# KiCad board ergodash.kicad_pcb
title: ErgoDash Rev2; date: 2018-06-07; rev: 2.0; company: Omkbd
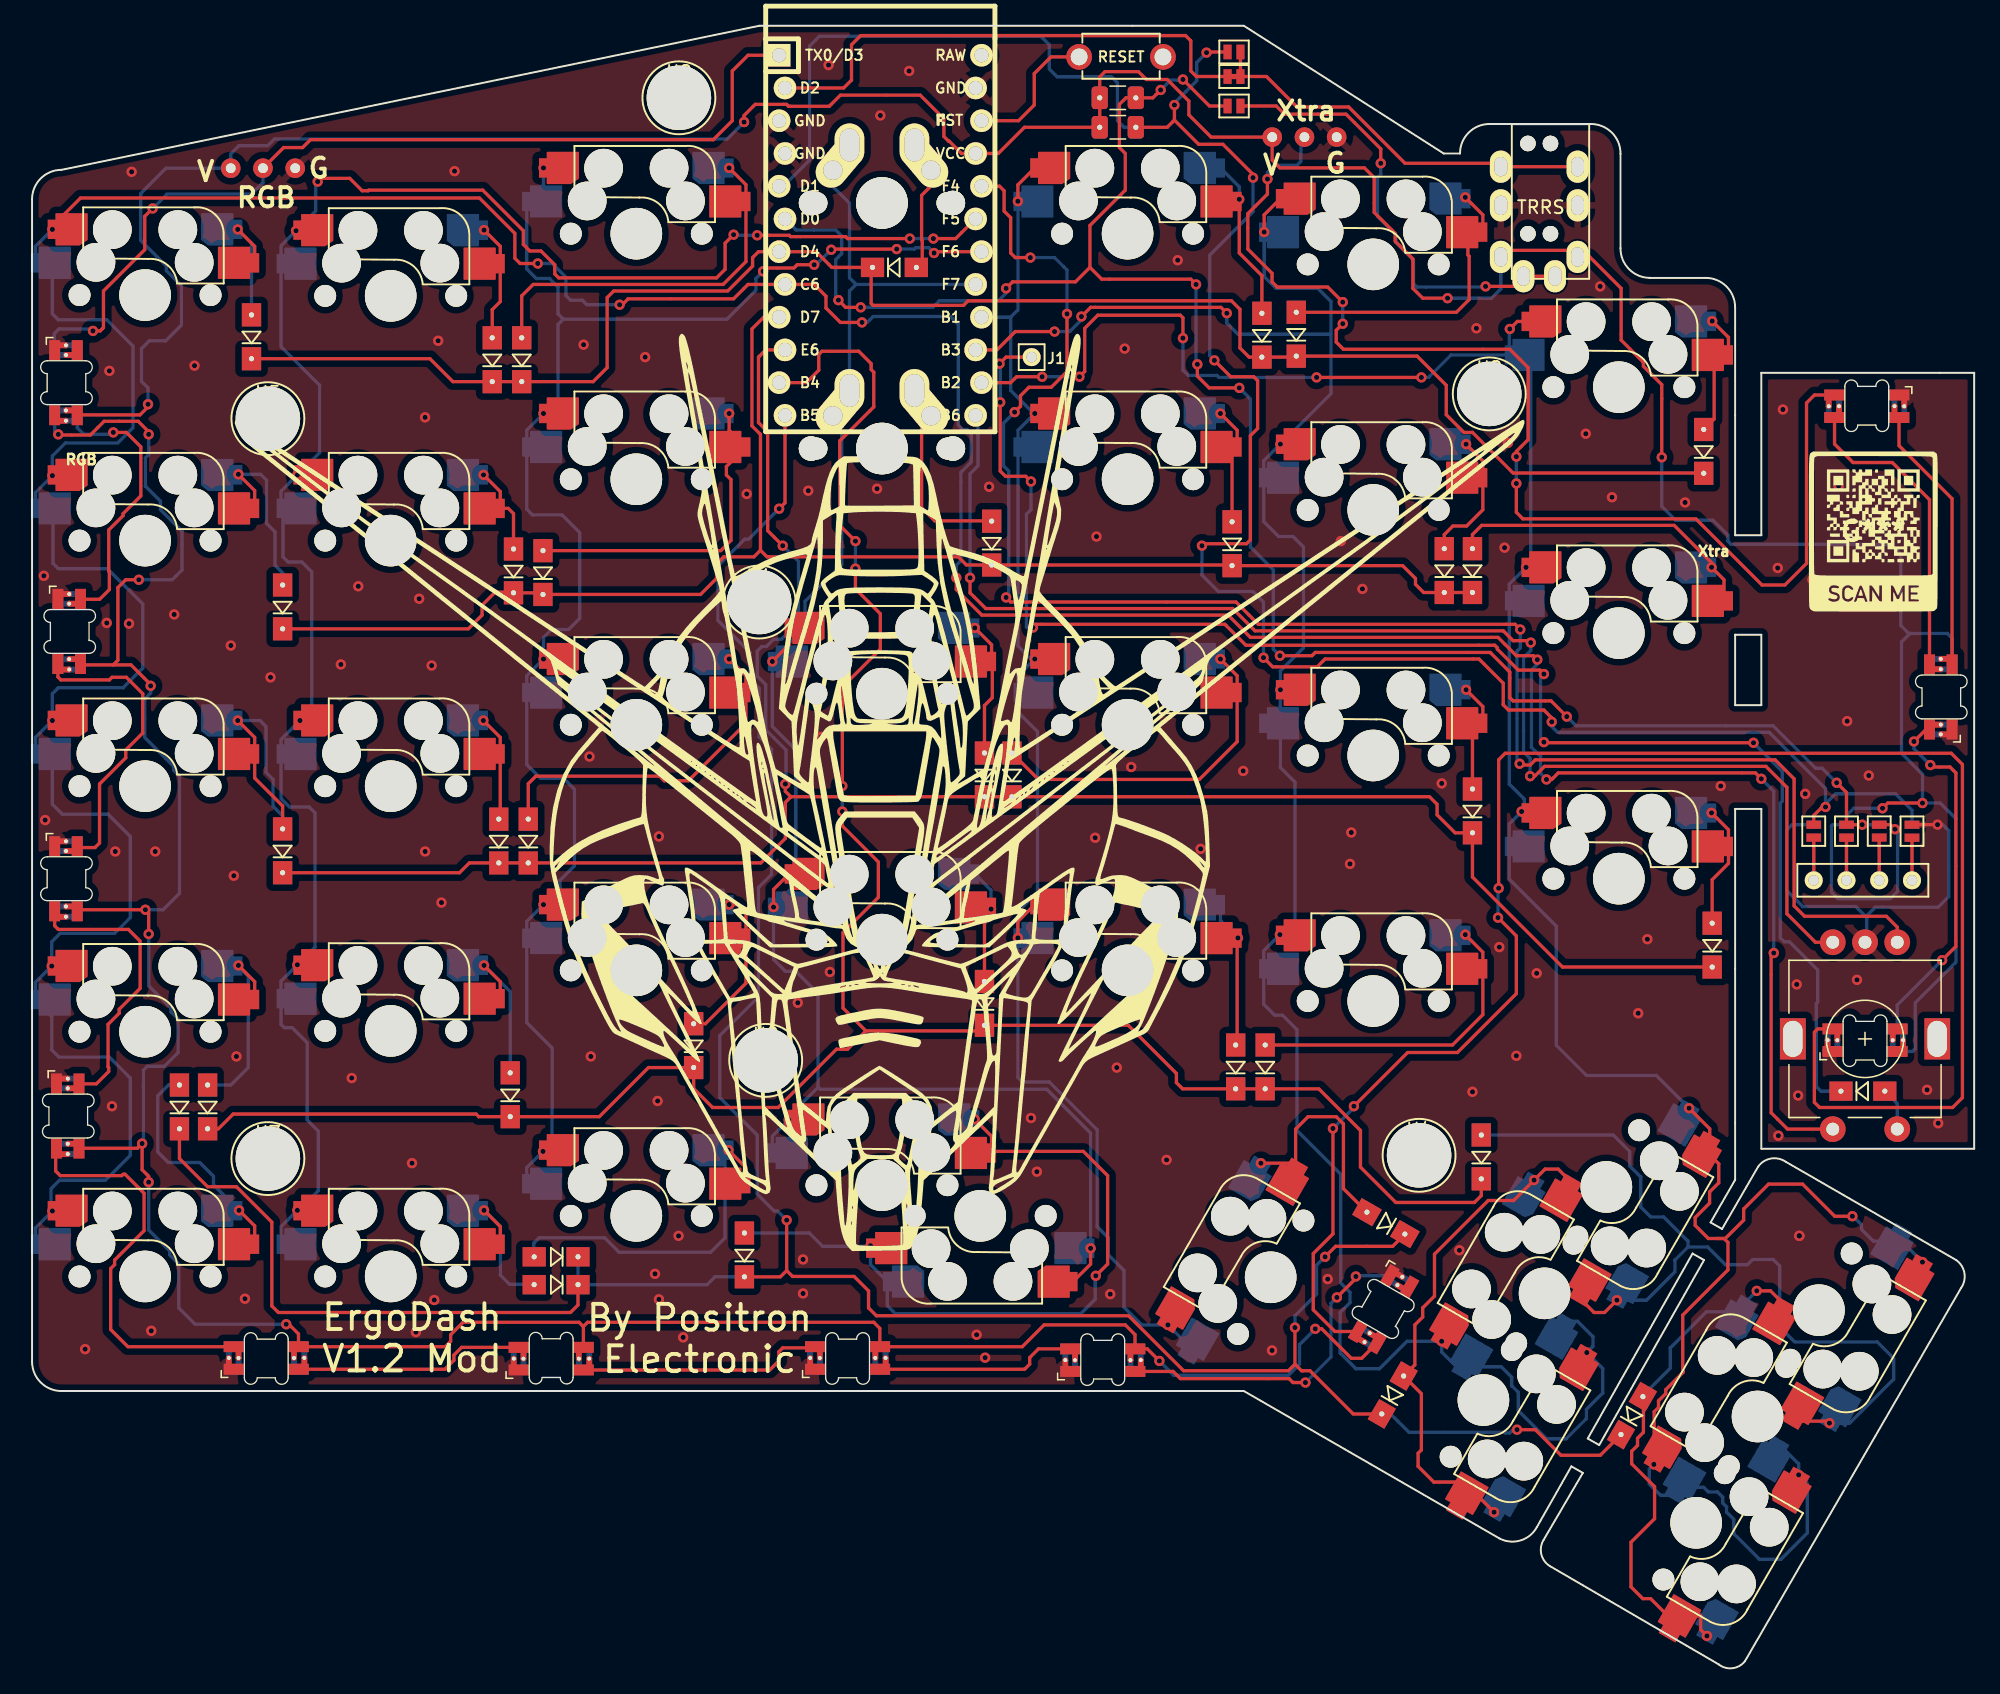
[diagram p0: board, top side]
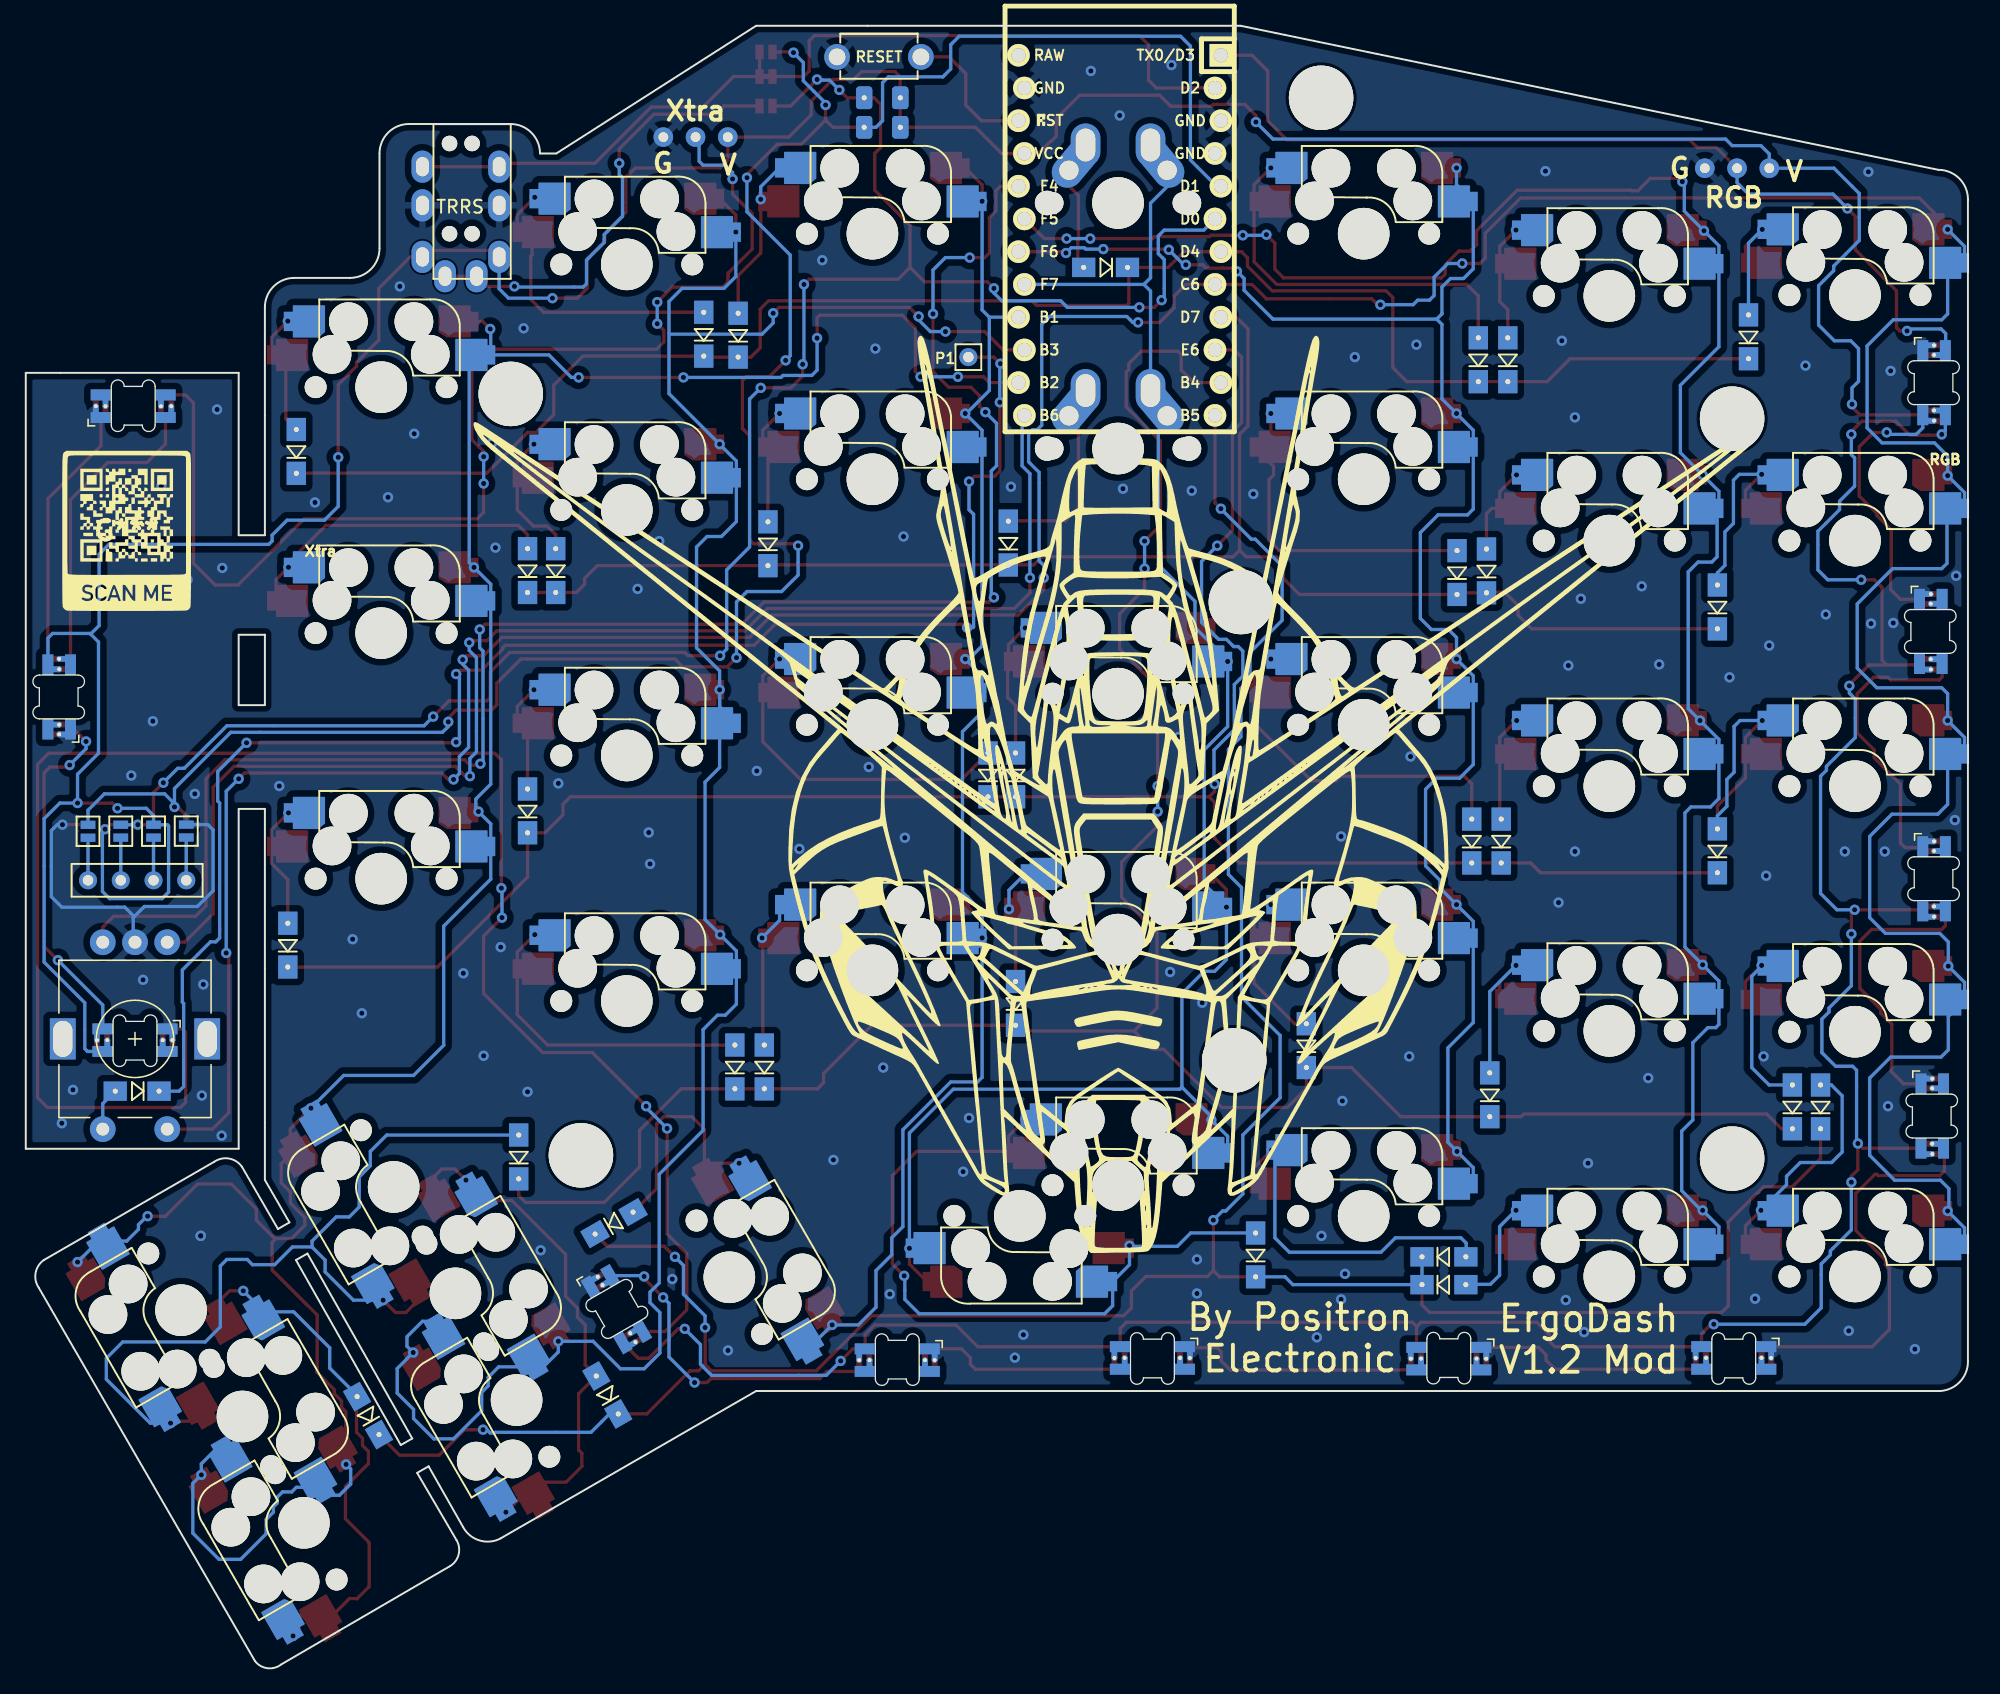
[diagram p1: board, bottom side, seen from below]

Outline 150.62 x 127.42 mm; copper layers: Top, Bottom. Coordinates in mm from the lower left corner of the outline.
Outline path: 0,113.96 arc(0.67,115.58) 2.29,116.24 56.39,127.42 93.98,127.42 109.47,117.51 110.74,117.51 arc(111.41,119.13) 113.03,119.8 120.9,119.8 arc(122.52,119.13) 123.19,117.51 123.19,110.15 arc(123.86,108.53) 125.48,107.86 129.79,107.86 arc(131.41,107.19) 132.08,105.58 132.08,87.9 134.11,87.9 134.11,100.5 150.62,100.5 150.62,40.3 134.11,40.3 134.11,66.66 132.08,66.66 132.08,37.89 130.18,34.58 131.06,34.08 133.86,38.9 arc(134.86,39.54) 136.02,39.28 149.22,31.66 arc(149.86,30.66) 149.61,29.5 132.84,0.55 arc(131.88,0) 130.81,0.29 117.73,7.91 arc(117.05,8.82) 117.22,9.95 120.27,15.15 119.38,15.66 116.71,10.96 arc(115.44,9.91) 113.79,10.07 93.98,21.5 2.29,21.5 arc(0.67,22.17) 0,23.79 0,113.96 ; 120.65,17.82 121.54,17.31 129.67,31.66 128.78,32.17 120.65,17.82 ; 132.08,80.18 132.08,74.72 134.11,74.72 134.11,80.18 132.08,80.18
Stack: Top 0.035mm / dielectric 1.51mm FR4 er 4.5 / Bottom 0.035mm

## Placement (name value [footprint] x y rotation side)
D1  D  [Diode_SOD123]  17.02 103.29 90 top
D2  D  [Diode_SOD123]  19.43 82.34 90 top
D3  D  [Diode_SOD123]  19.43 63.41 90 top
D4  D  [Diode_SOD123]  13.61 43.55 90 top
D5  D  [Diode_SOD123]  35.69 101.51 90 top
D6  D  [Diode_SOD123]  37.34 85.13 90 top
D7  D  [Diode_SOD123]  36.2 64.17 90 top
D8  D  [Diode_SOD123]  37.08 44.49 90 top
D9  D  [Diode_SOD123]  37.97 101.51 90 top
D10  D  [Diode_SOD123]  39.62 85 90 top
D11  D  [Diode_SOD123]  38.48 64.17 90 top
D12  D  [Diode_SOD123]  51.31 48.3 90 top
D13  D  [Diode_SOD123]  66.88 108.68 0 top
D14  D  [Diode_SOD123]  74.42 87.29 90 top
D15  D  [Diode_SOD123]  73.86 69.31 90 top
D16  D  [Diode_SOD123]  73.86 51.58 90 top
D17  D  [Diode_SOD123]  95.38 103.42 90 top
D18  D  [Diode_SOD123]  93.07 87.24 90 top
D19  D  [Diode_SOD123]  76 69.31 90 top
D20  D  [Diode_SOD123]  93.34 46.65 90 top
D21  D  [Diode_SOD123]  98.04 103.49 90 top
D22  D  [Diode_SOD123]  109.52 85.16 90 top
D23  D  [Diode_SOD123]  111.71 66.51 90 top
D24  D  [Diode_SOD123]  95.63 46.65 90 top
D25  D  [Diode_SOD123]  129.64 94.4 90 top
D26  D  [Diode_SOD123]  111.71 85.16 90 top
D27  D  [Diode_SOD123]  130.3 56.1 90 top
D28  D  [Diode_SOD123]  112.4 39.66 90 top
D29  D  [Diode_SOD123]  11.43 43.55 90 top
D30  D  [Diode_SOD123]  40.64 29.76 180 top
D31  D  [Diode_SOD123]  40.64 31.92 180 top
D32  D  [Diode_SOD123]  55.25 32.06 90 top
D33  D  [Diode_SOD123]  105 34.53 150 top
D34  D  [Diode_SOD123]  105.53 21.2 60 top
D35  YAEMK_SK6812MINI-E  [SK6812_mini_e_flipable]  2.53 99.73 90 top
D36  YAEMK_SK6812MINI-E  [SK6812_mini_e_flipable]  142.29 97.8 0 bottom
D37  YAEMK_SK6812MINI-E  [SK6812_mini_e_flipable]  2.78 80.43 90 top
D38  YAEMK_SK6812MINI-E  [SK6812_mini_e_flipable]  147.93 75.35 270 bottom
D39  YAEMK_SK6812MINI-E  [SK6812_mini_e_flipable]  2.53 61.25 90 top
D40  YAEMK_SK6812MINI-E  [SK6812_mini_e_flipable]  142.15 48.82 180 bottom
D41  YAEMK_SK6812MINI-E  [SK6812_mini_e_flipable]  2.67 42.84 90 top
D42  YAEMK_SK6812MINI-E  [SK6812_mini_e_flipable#2]  104.9 27.8 60 bottom
D43  YAEMK_SK6812MINI-E  [SK6812_mini_e_flipable]  18.16 24.17 180 bottom
D44  YAEMK_SK6812MINI-E  [SK6812_mini_e_flipable]  83.04 23.8 180 top
D45  YAEMK_SK6812MINI-E  [SK6812_mini_e_flipable]  40.26 23.92 180 top
D46  YAEMK_SK6812MINI-E  [SK6812_mini_e_flipable]  63.25 24.17 180 bottom
D68  D  [Diode_SOD123]  124.08 19.6 60 top
D_1  D-Lily58-cache  [Diode_SOD123]  141.99 44.77 0 top
G***  LOGO  [qr-positron]  142.8 88.2 0 top
G***#2  LOGO  [gundam]  65.74 68.04 0 top
G***#3  LOGO  [qr-positron]  142.8 88.25 180 bottom
G***#4  LOGO  [gundam]  65.89 67.88 180 bottom
J1  i2c_pin-Lily58-cache  [1pin_conn]  77.52 101.72 0 top
J2  Conn_01x03  [conn3]  17.91 116.37 0 top
J3  Conn_01x03  [conn3]  98.68 118.78 0 top
J6  OLED-Lily58-cache  [OLED_4Pin]  138.18 61.13 0 top
JP1  Jumper_NO_Small-Device  [Jumper]  145.8 64.94 270 top
JP2  Jumper_NO_Small-Device  [Jumper]  143.26 64.94 270 top
JP3  Jumper_NO_Small-Device  [Jumper]  140.72 64.94 270 top
JP4  Jumper_NO_Small-Device  [Jumper]  138.18 64.94 270 top
JP5  Jumper_NO_Small-Device  [Jumper]  145.8 64.93 270 bottom
JP6  Jumper_NO_Small-Device  [Jumper]  143.26 64.94 270 bottom
JP7  Jumper_NO_Small-Device  [Jumper]  140.72 64.94 270 bottom
JP8  Jumper_NO_Small-Device  [Jumper]  138.18 64.94 270 bottom
JP9  Jumper_NO_Small-Device  [Jumper]  93.22 121.2 180 top
JP10  Jumper_NC_Small-Device  [jumper_data]  93.22 123.48 0 top
JP11  Jumper_NO_Small-Device  [Jumper]  93.22 125.39 0 top
R1  4.7k  [R_1206_DoubleSided]  84.2 119.55 0 top
R2  4.7k  [R_1206_DoubleSided]  84.2 121.83 0 top
RST_SW1  SW_PUSH  [TACT_SWITCH_TVBP06]  84.46 125.01 0 top
SW13  SW_PUSH  [MX_ALPS]  65.91 113.67 0 top
SW14  SW_PUSH  [MX_ALPS]  65.91 94.62 0 top
SW42  SW_PUSH-Lily58-cache  [CherryMX_Hotswap]  8.76 106.53 0 top
SW43  SW_PUSH-Lily58-cache  [CherryMX_Hotswap]  8.76 87.48 0 top
SW44  SW_PUSH-Lily58-cache  [CherryMX_Hotswap]  8.76 68.43 0 top
SW45  SW_PUSH-Lily58-cache  [CherryMX_Hotswap]  8.76 49.38 0 top
SW46  SW_PUSH-Lily58-cache  [CherryMX_Hotswap]  8.76 30.39 0 top
SW47  SW_PUSH-Lily58-cache  [CherryMX_Hotswap]  27.81 106.47 0 top
SW48  SW_PUSH-Lily58-cache  [CherryMX_Hotswap]  27.81 87.48 0 top
SW49  SW_PUSH-Lily58-cache  [CherryMX_Hotswap]  27.81 68.43 0 top
SW50  SW_PUSH-Lily58-cache  [CherryMX_Hotswap]  27.81 49.44 0 top
SW51  SW_PUSH-Lily58-cache  [CherryMX_Hotswap]  27.81 30.39 0 top
SW52  SW_PUSH-Lily58-cache  [CherryMX_Hotswap]  46.86 111.29 0 top
SW53  SW_PUSH-Lily58-cache  [CherryMX_Hotswap]  46.86 92.24 0 top
SW54  SW_PUSH-Lily58-cache  [CherryMX_Hotswap]  46.86 73.19 0 top
SW55  SW_PUSH-Lily58-cache  [CherryMX_Hotswap]  46.86 54.14 0 top
SW56  SW_PUSH-Lily58-cache  [CherryMX_Hotswap]  46.86 35.09 0 top
SW57  Rotary_Encoder_Switch-Device  [RotaryEncoder_Alps_EC11E-Switch_Vertical_H20mm-keebio_modified]  142.15 48.82 270 top
SW59  SW_PUSH-Lily58-cache  [CherryMX_Hotswap]  65.91 75.6 0 top
SW60  SW_PUSH-Lily58-cache  [CherryMX_Hotswap]  65.91 56.52 0 top
SW61  SW_PUSH-Lily58-cache  [CherryMX_Hotswap]  65.91 37.47 0 top
SW62  SW_PUSH-Lily58-cache  [CherryMX_Hotswap]  73.53 35.09 180 top
SW63  SW_PUSH-Lily58-cache  [CherryMX_Hotswap]  84.96 111.29 0 top
SW64  SW_PUSH-Lily58-cache  [CherryMX_Hotswap]  84.96 92.24 0 top
SW65  SW_PUSH-Lily58-cache  [CherryMX_Hotswap]  84.96 73.19 0 top
SW66  SW_PUSH-Lily58-cache  [CherryMX_Hotswap]  84.96 54.14 0 top
SW67  SW_PUSH-Lily58-cache  [CherryMX_Hotswap]  96.06 30.33 60 top
SW68  SW_PUSH-Lily58-cache  [CherryMX_Hotswap]  104.01 108.91 0 top
SW69  SW_PUSH-Lily58-cache  [CherryMX_Hotswap]  104.01 89.86 0 top
SW70  SW_PUSH-Lily58-cache  [CherryMX_Hotswap]  104.01 70.81 0 top
SW71  SW_PUSH-Lily58-cache  [CherryMX_Hotswap]  104.01 51.76 0 top
SW72  SW_PUSH-Lily58-cache  [CherryMX_Hotswap]  112.56 20.8 240 top
SW73  SW_PUSH-Lily58-cache  [CherryMX_Hotswap]  117.3 29.08 60 top
SW74  SW_PUSH-Lily58-cache  [CherryMX_Hotswap]  123.06 99.39 0 top
SW75  SW_PUSH-Lily58-cache  [CherryMX_Hotswap]  123.06 80.3 0 top
SW76  SW_PUSH-Lily58-cache  [CherryMX_Hotswap]  123.06 61.25 0 top
SW77  SW_PUSH-Lily58-cache  [CherryMX_Hotswap]  122.09 37.34 240 top
SW78  SW_PUSH-Lily58-cache  [CherryMX_Hotswap]  138.58 27.78 240 top
SW79  SW_PUSH-Lily58-cache  [CherryMX_Hotswap]  129.06 11.28 240 top
SW80  SW_PUSH-Lily58-cache  [CherryMX_Hotswap]  133.82 19.53 60 top
TRRS1  Audio-Jack-4  [MJ-4PP-9]  117.76 119.79 0 top
U1  HOLE  [hole]  56.39 82.72 0 top
U2  HOLE  [hole]  113.01 98.86 0 top
U4  HOLE  [hole]  107.57 39.79 0 top
U5  HOLE  [hole]  18.29 96.94 0 top
U6  ProMicro_2-Lily58-cache  [ArduinoProMicro-ZigZag-DoubleSided]  65.79 111.16 270 top
U7  HOLE  [hole]  18.29 39.54 0 top
U8  HOLE  [hole]  56.9 47.16 0 top
U9  HOLE  [hole]  50.16 121.83 0 top

## Footprints (pads in the part's own frame, mm; a bottom-side part is the same pattern mirrored in y, then rotated)
1pin_conn
  round 1.397 hole 0.813: 1(0,0)
ArduinoProMicro-ZigZag-DoubleSided
  rect 1.753x1.753 hole 1.092: 1(-13.97,-7.849)
  round 1.753 hole 1.092: 2(-11.43,-7.391) 3(-8.89,-7.849) 4(-6.35,-7.391) 5(-3.81,-7.849) 6(-1.27,-7.391) 7(1.27,-7.849) 8(3.81,-7.391) 9(6.35,-7.849) 10(8.89,-7.391) 11(11.43,-7.849) 12(13.97,-7.391) 13(13.97,7.391) 14(11.43,7.849) 15(8.89,7.391) 16(6.35,7.849) 17(3.81,7.391) 18(1.27,7.849) 19(-1.27,7.391) 20(-3.81,7.849) 21(-6.35,7.391) 22(-8.89,7.849) 23(-11.43,7.391) 24(-13.97,7.849)
CherryMX_Hotswap
  round 1.7 hole 1.7 unplated: (-5.08,0) (5.08,0)
  round 3 hole 3 unplated: (-3.81,2.54) (-2.54,5.08) (2.54,5.08) (3.81,2.54)
  round 4 hole 4 unplated: (0,0)
  custom 3.1x2.5 smd far side: 1(-8.5,2.5)
  custom 3.1x2.5 smd: 1(-7.2,5.1)
  custom 3.2x2.5 smd far side: 2(7.2,5.1)
  custom 3.2x2.5 smd: 2(8.5,2.5)
conn3
  round 1.524 hole 0.762: 1(-2.5,0) 2(0,0) 3(2.5,0)
Diode_SOD123
  rect 1.8x1.5 hole 0.4: 1(-1.7,0) 2(1.7,0)
hole
  round 5 hole 5 unplated: (0,0)
Jumper
  rect 0.635x1.143 smd: 1(-0.5,0) 2(0.5,0)
jumper_data
  rect 0.635x1.143 smd: 1(-0.5,0) 2(0.5,0)
MJ-4PP-9
  round 1.2 hole 1.2 unplated: (-1.75,-1.5) (-1.75,-8.5) (0,-1.5) (0,-8.5)
  oval 1.7x2.5 hole 1x1.5: 1(-3.85,-10.3) 1(2.1,-10.3) 2(-3.85,-6.3) 2(2.1,-6.3) 3(-3.85,-3.3) 3(2.1,-3.3) 4(-2.1,-11.8) 4(0.35,-11.8)
MX_ALPS
  round 1.9 hole 1.9 unplated: (-5.5,0) (5.5,0)
  round 1.7 hole 1.7 unplated: (-5.08,0) (5.08,0)
  round 4 hole 4 unplated: (0,0)
  oval 4.2x2.4 hole 1.5 rot 50: 1(-3.81,2.54)
  oval 2.3x3.337 hole 1.513x2.55: 1(-2.52,4.5) 2(2.52,4.5)
  oval 4.2x2.4 hole 1.5 rot 130: 2(3.81,2.54)
OLED_4Pin
  round 1.397 hole 0.813: 1(0,0) 2(2.54,0) 3(5.08,0) 4(7.62,0)
R_1206_DoubleSided
  rrect 1.25x1.75 hole 0.4: 1(-1.4,0) 2(1.4,0)
  rrect 1.25x1.75 smd far side: 1(-1.4,0) 2(1.4,0)
RotaryEncoder_Alps_EC11E-Switch_Vertical_H20mm-keebio_modified
  rect 3.2x2 hole 2.8x1.5: (0,5.6) (0,-5.6)
  round 2 hole 1: A(-7.5,2.5) B(-7.5,-2.5) C(-7.5,0) S1(7,-2.5) S2(7,2.5)
SK6812_mini_e_flipable
  custom 1.6x1.371 smd far side: 1(-2.5,0.775)
  custom 1.6x1.373 smd: 1(-2.5,-0.975)
  round 0.457 hole 0.305: 1(-2.15,-0.1) 2(-2.95,-0.1) 3(2.9,-0.1) 4(2.15,-0.1)
  custom 1.6x1.344 smd: 2(-2.5,0.775)
  custom 1.6x1.363 smd far side: 2(-2.5,-0.975) 3(2.5,-0.975)
  custom 1.6x1.362 smd: 3(2.5,0.775)
  custom 1.6x1.361 smd far side: 4(2.5,0.775)
  custom 1.6x1.381 smd: 4(2.5,-0.975)
SK6812_mini_e_flipable#2
  custom 1.6x1.373 smd: 1(-2.5,-0.975)
  custom 1.6x1.371 smd far side: 1(-2.5,0.775)
  round 0.457 hole 0.305: 1(-2.15,-0.1) 2(-2.95,-0.1) 3(2.9,-0.1) 4(2.15,-0.1)
  custom 1.6x1.363 smd far side: 2(-2.5,-0.975) 3(2.5,-0.975)
  custom 1.6x1.344 smd: 2(-2.5,0.775)
  custom 1.6x1.362 smd: 3(2.5,0.775)
  custom 1.6x1.381 smd: 4(2.5,-0.975)
  custom 1.6x1.361 smd far side: 4(2.5,0.775)
TACT_SWITCH_TVBP06
  round 2 hole 1.3: 1(-3.25,0) 2(3.25,0)

## Nets
GND: D35.3 D36.3 D37.3 D38.3 D39.3 D40.3 D41.3 D42.3 D43.3 D44.3 D45.3 D46.3 J2.3 J3.3 JP1.1 JP8.1 RST_SW1.2 SW57.C TRRS1.2 U6.3 U6.4 U6.23
VCC: D35.1 D36.1 D37.1 D38.1 D39.1 D40.1 D41.1 D42.1 D43.1 D44.1 D45.1 D46.1 J2.1 J3.1 JP2.1 JP7.1 R1.1 R2.1 TRRS1.1 U6.21
/col0: SW42.1 SW43.1 SW44.1 SW45.1 SW46.1 SW57.S1 U6.8
/col1: SW47.1 SW48.1 SW49.1 SW50.1 SW51.1 U6.19
/col2: SW52.1 SW53.1 SW54.1 SW55.1 SW56.1 U6.18
/col3: SW13.1 SW14.1 SW59.1 SW60.1 SW61.1 SW62.1 U6.17
/col4: SW63.1 SW64.1 SW65.1 SW66.1 SW67.1 U6.16
/col5: SW68.1 SW69.1 SW70.1 SW71.1 SW72.1 SW73.1 U6.15
/col6: SW74.1 SW75.1 SW76.1 SW77.1 SW78.1 SW79.1 SW80.1 U6.14
/row0: D1.1 D5.1 D9.1 D13.1 D17.1 D21.1 D25.1 U6.7
/row1: D2.1 D6.1 D10.1 D14.1 D18.1 D22.1 D26.1 U6.9
/row2: D3.1 D7.1 D11.1 D15.1 D19.1 D23.1 D27.1 U6.10
/row3: D4.1 D8.1 D12.1 D16.1 D20.1 D24.1 D28.1 U6.11
/row4: D29.1 D30.1 D31.1 D32.1 D33.1 D34.1 D68.1 U6.12
/xtradata: D36.2 J3.2
DATA: JP10.1 U6.2
enc_a: SW57.A U6.20
enc_b: SW57.B U6.13
RGB: D35.4 J2.2 U6.1
row5: D_1.1 J1.1
RST: RST_SW1.1 U6.22
SCL: JP3.1 JP6.1 JP9.2 R2.2 U6.6
SDA: JP4.1 JP5.1 JP11.1 R1.2 U6.5
Net-(D1-Pad2): D1.2 SW42.2
Net-(D2-Pad2): D2.2 SW43.2
Net-(D3-Pad2): D3.2 SW44.2
Net-(D4-Pad2): D4.2 SW45.2
Net-(D5-Pad2): D5.2 SW47.2
Net-(D6-Pad2): D6.2 SW48.2
Net-(D7-Pad2): D7.2 SW49.2
Net-(D8-Pad2): D8.2 SW50.2
Net-(D9-Pad2): D9.2 SW52.2
Net-(D10-Pad2): D10.2 SW53.2
Net-(D11-Pad2): D11.2 SW54.2
Net-(D12-Pad2): D12.2 SW55.2
Net-(D13-Pad2): D13.2 SW13.2
Net-(D14-Pad2): D14.2 SW14.2
Net-(D15-Pad2): D15.2 SW59.2
Net-(D16-Pad2): D16.2 SW60.2
Net-(D17-Pad2): D17.2 SW63.2
Net-(D18-Pad2): D18.2 SW64.2
Net-(D19-Pad2): D19.2 SW65.2
Net-(D20-Pad2): D20.2 SW66.2
Net-(D21-Pad2): D21.2 SW68.2
Net-(D22-Pad2): D22.2 SW69.2
Net-(D23-Pad2): D23.2 SW70.2
Net-(D24-Pad2): D24.2 SW71.2
Net-(D25-Pad2): D25.2 SW74.2
Net-(D26-Pad2): D26.2 SW75.2
Net-(D27-Pad2): D27.2 SW76.2
Net-(D28-Pad2): D28.2 SW77.2 SW78.2
Net-(D29-Pad2): D29.2 SW46.2
Net-(D30-Pad2): D30.2 SW51.2
Net-(D31-Pad2): D31.2 SW56.2
Net-(D32-Pad2): D32.2 SW61.2 SW62.2
Net-(D33-Pad2): D33.2 SW67.2
Net-(D34-Pad2): D34.2 SW72.2 SW73.2
Net-(D35-Pad2): D35.2 D37.4
Net-(D36-Pad4): D36.4 D38.2
Net-(D37-Pad2): D37.2 D39.4
Net-(D38-Pad4): D38.4 D40.2
Net-(D39-Pad2): D39.2 D41.4
Net-(D40-Pad4): D40.4 D42.2
Net-(D41-Pad2): D41.2 D43.4
Net-(D42-Pad4): D42.4 D44.2
Net-(D43-Pad2): D43.2 D45.4
Net-(D44-Pad4): D44.4 D46.2
Net-(D45-Pad2): D45.2 D46.4
Net-(D68-Pad2): D68.2 SW79.2 SW80.2
Net-(D_1-Pad2): D_1.2 SW57.S2
Net-(J6-Pad1): J6.1 JP4.2 JP8.2
Net-(J6-Pad2): J6.2 JP3.2 JP7.2
Net-(J6-Pad3): J6.3 JP2.2 JP6.2
Net-(J6-Pad4): J6.4 JP1.2 JP5.2
Net-(JP9-Pad1): JP9.1 TRRS1.4
Net-(JP10-Pad2): JP10.2 JP11.2 TRRS1.3

Pads without a net: U6 24

## Via types
v1: diameter 0.8, hole 0.4, Top to Bottom, 292 vias

## Routing (per net, layer and track width the routed paths; a pad name or vN(x,y) marks a point on that pad's centre or on a via; arc(x,y) is an arc through that point)
GND: length 31.2
  Top w0.254: v1(147.78,65.44) 145.8,65.44 JP1.1
  Bottom w0.254: SW57.C 142.29,56.46 142.29,58.23 142.21,58.31 ; 142.21,58.31 142.95,59.04 147.83,59.04 148.64,59.86 148.64,64.99 148.18,65.44 v1(147.78,65.44) ; 142.21,58.31 141.43,59.09 137.31,59.09 136.09,60.31 136.09,65.04 136.5,65.44 JP8.1
  vias: v1(0.91,84.75) v1(1.02,65.8) v1(4.11,24.75) v1(5.79,81.09) v1(5.99,100.65) v1(6.2,43.6) v1(6.45,63.36) v1(7.52,81.04) v1(7.72,116.09) v1(9.25,26.18) v1(9.55,63.36) v1(11.02,81.75) v1(12.6,101.06) v1(15.41,79.34) v1(15.65,61.48) v1(15.85,47.46) v1(16.51,28.67) v1(18.49,76.87) v1(23.95,77.87) v1(24.79,45.79) v1(25.3,83.94) v1(29.46,39.18) v1(29.77,26.07) v1(30.02,82.97) v1(30.48,97.04) v1(30.48,63.36) v1(30.99,77.79) v1(31.19,28.56) v1(31.5,102.99) v1(31.75,59.4) v1(32.77,116.14) v1(42.77,102.68) v1(43.23,70.73) v1(43.33,47.46) v1(47.55,101.72) v1(48.31,30.6) v1(48.51,44.01) v1(48.62,64.53) v1(48.62,28.61) v1(50.14,33.54) v1(50.5,25.67) v1(55.42,91.1) v1(59.39,51.63) v1(59.79,31.71) v1(59.79,29.07) v1(60.2,91.35) v1(61.21,72.25) v1(61.77,124.37) v1(61.87,54.01) v1(65.53,91.51) v1(65.79,120.46) v1(68.02,123.92) v1(73.25,25.87) v1(73.91,24.09) v1(74.22,91.66) v1(77.47,42.69) v1(77.93,38.52) v1(82.45,64.43) v1(82.55,87.8) v1(83.62,29.02) v1(84.12,46.6) v1(84.73,102.38) v1(85.24,69.92) v1(87.99,39.44) v1(88.85,109.23) v1(90.63,63.57) v1(93.93,69.61) v1(96.16,24.65) v1(100.48,30.19) v1(101.5,87.44) v1(102.21,62.4) v1(102.31,64.84) v1(103.17,83.73) v1(109.32,68.65) v1(110.69,32.42) v1(111.71,44.72) v1(112.01,103.95) v1(113.79,55.95) v1(114.2,86.93) v1(114.45,95.06) v1(115.11,47.51) v1(116.69,53.91) v1(120.5,95.77) v1(121.62,107.2) v1(122.53,90.84) v1(124.56,50.81) v1(125.27,56.55) v1(128.19,90.44) v1(130.96,68.44) v1(135.38,85.36) v1(135.43,41.31) v1(135.79,97.65) v1(136.86,53.05) v1(136.97,44.43) v1(137.06,33.54) v1(137.06,33.54) v1(137.52,67.83) v1(138.07,84.44) v1(140.11,91.71) v1(140.77,73.47) v1(141.53,53.41) v1(142.44,69.25) v1(146.96,44.87) v1(147.83,42.28)
VCC: length 518
  Top w0.254: v1(126.39,93.94) 126.39,99.58 124.97,101 124.97,101.31 123.24,103.04 123.24,107.05 120.8,109.49 TRRS1.1 119.35,110 114.45,110 113.95,109.49 TRRS1.1 ; 6.3,77.84 7.67,77.84 9.19,76.32 v1(9.19,76.21) ; 6.3,77.84 3.85,77.84 D37.1 ; 6.3,77.84 6.65,78.2 6.65,83.83 7.26,84.44 v1(8.28,84.44) ; v1(9.04,95.72) 9.04,95.92 8.23,96.74 5.59,96.74 4.52,95.67 2.08,95.67 v1(2.03,95.72) ; v1(19.71,26.68) 19.91,26.68 20.66,25.94 D43.1 32.04,24.94 32.46,25.36 32.46,25.87 33.43,26.84 42.42,26.84 42.76,26.5 ; D36.1 139.79,94.97 141.22,93.54 144.27,93.54 147.15,90.65 D38.1 ; 42.76,26.5 D45.1 ; 42.76,26.5 42.76,26.52 43.08,26.84 65.28,26.84 65.75,26.37 D46.1 76.8,24.94 78.49,26.63 84.79,26.63 85.54,25.88 D44.1 86.49,24.78 v1(87.43,23.84) ; v1(55.22,119.95) 55.22,120.46 56.08,121.32 58.52,121.32 58.67,121.17 61.82,121.17 62.69,122.04 68.88,122.04 70.71,120.21 70.71,118.84 71.07,118.48 71.12,118.48 72.09,117.51 U6.21 74.93,117.51 76.96,119.55 R1.1 R2.1 82.8,123.46 83.21,123.86 85.8,123.86 86.41,123.26 88.04,123.26 89.71,121.58 89.71,120.51 91.44,118.78 J3.1 96.18,116.99 96.77,116.4 103.33,116.4 104.09,115.64 104.09,112.94 105.71,111.32 105.71,110.71 107.09,109.34 107.09,107.05 107.85,106.29 v1(109.78,106.29) ; v1(144.48,65.09) 144.12,65.44 JP2.1 ; D39.1 3.59,58.84 v1(8.79,58.84) 9.04,58.59 v1(9.04,56.96) ; v1(146.61,67.12) 143.92,67.12 v1(143.51,66.71) ; v1(99.52,26.33) 100.03,26.33 102.31,24.04 103.12,24.04 D42.1 ; D41.1 8.17,40.34 v1(8.53,40.71) 8.53,38.67 9.04,38.17 v1(9.04,37.71) ; D35.1 8.37,97.23 8.99,97.86 v1(8.99,98.06)